# Altium PCB RcTransmitter.PcbDoc
Units mm, origin at the board's own origin, x right, y up, seen from the top; angles counter-clockwise.
Board outline 99.88 x 90.1 mm, 2 copper layers (Top Layer, Bottom Layer); 99 components, 58 nets, 309 pads, 92 vias.
Unrouted connection lines stored in the file: 11.
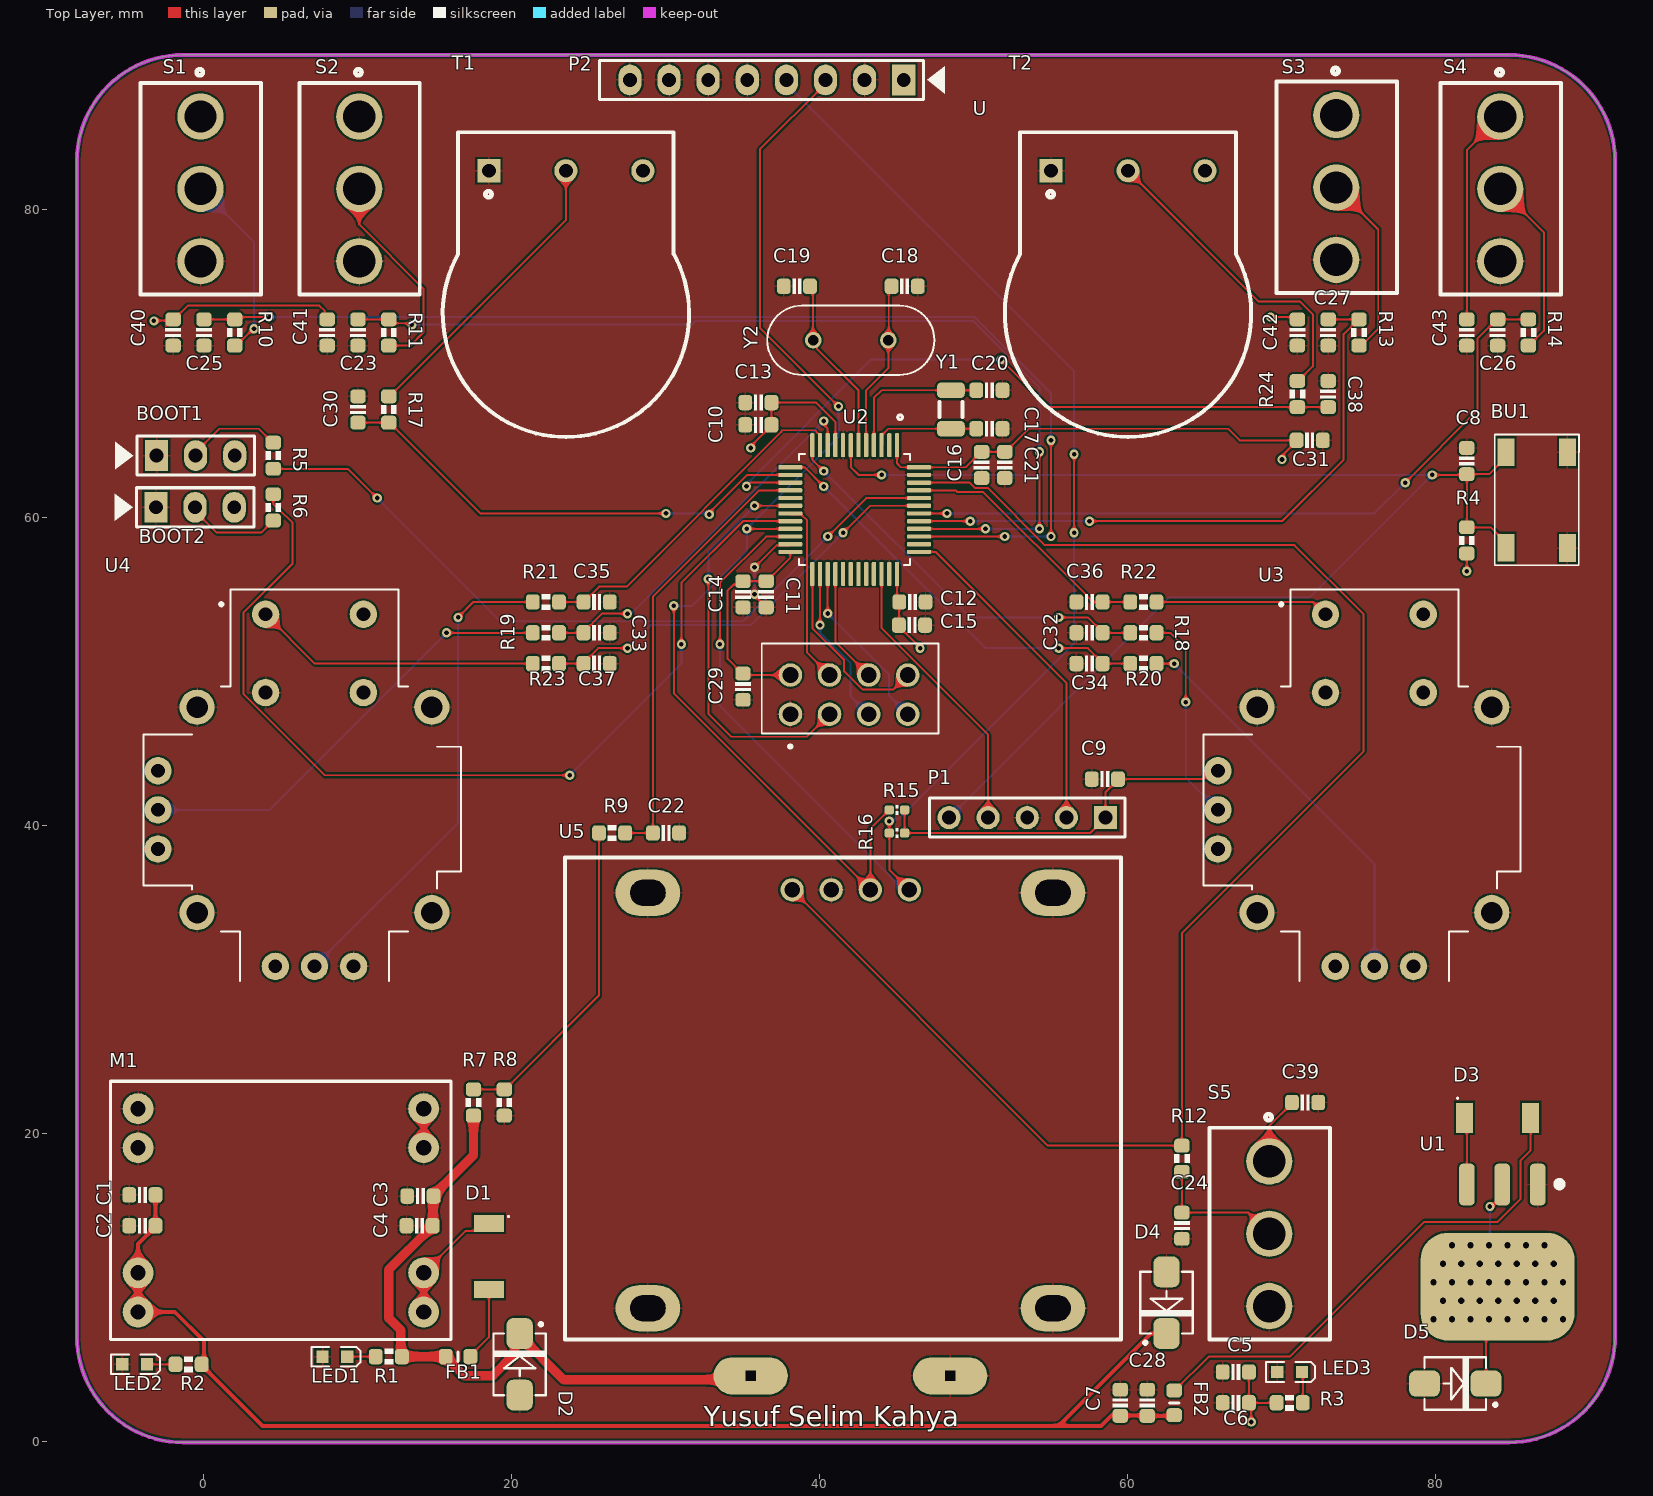
[diagram p0: Top Layer view]
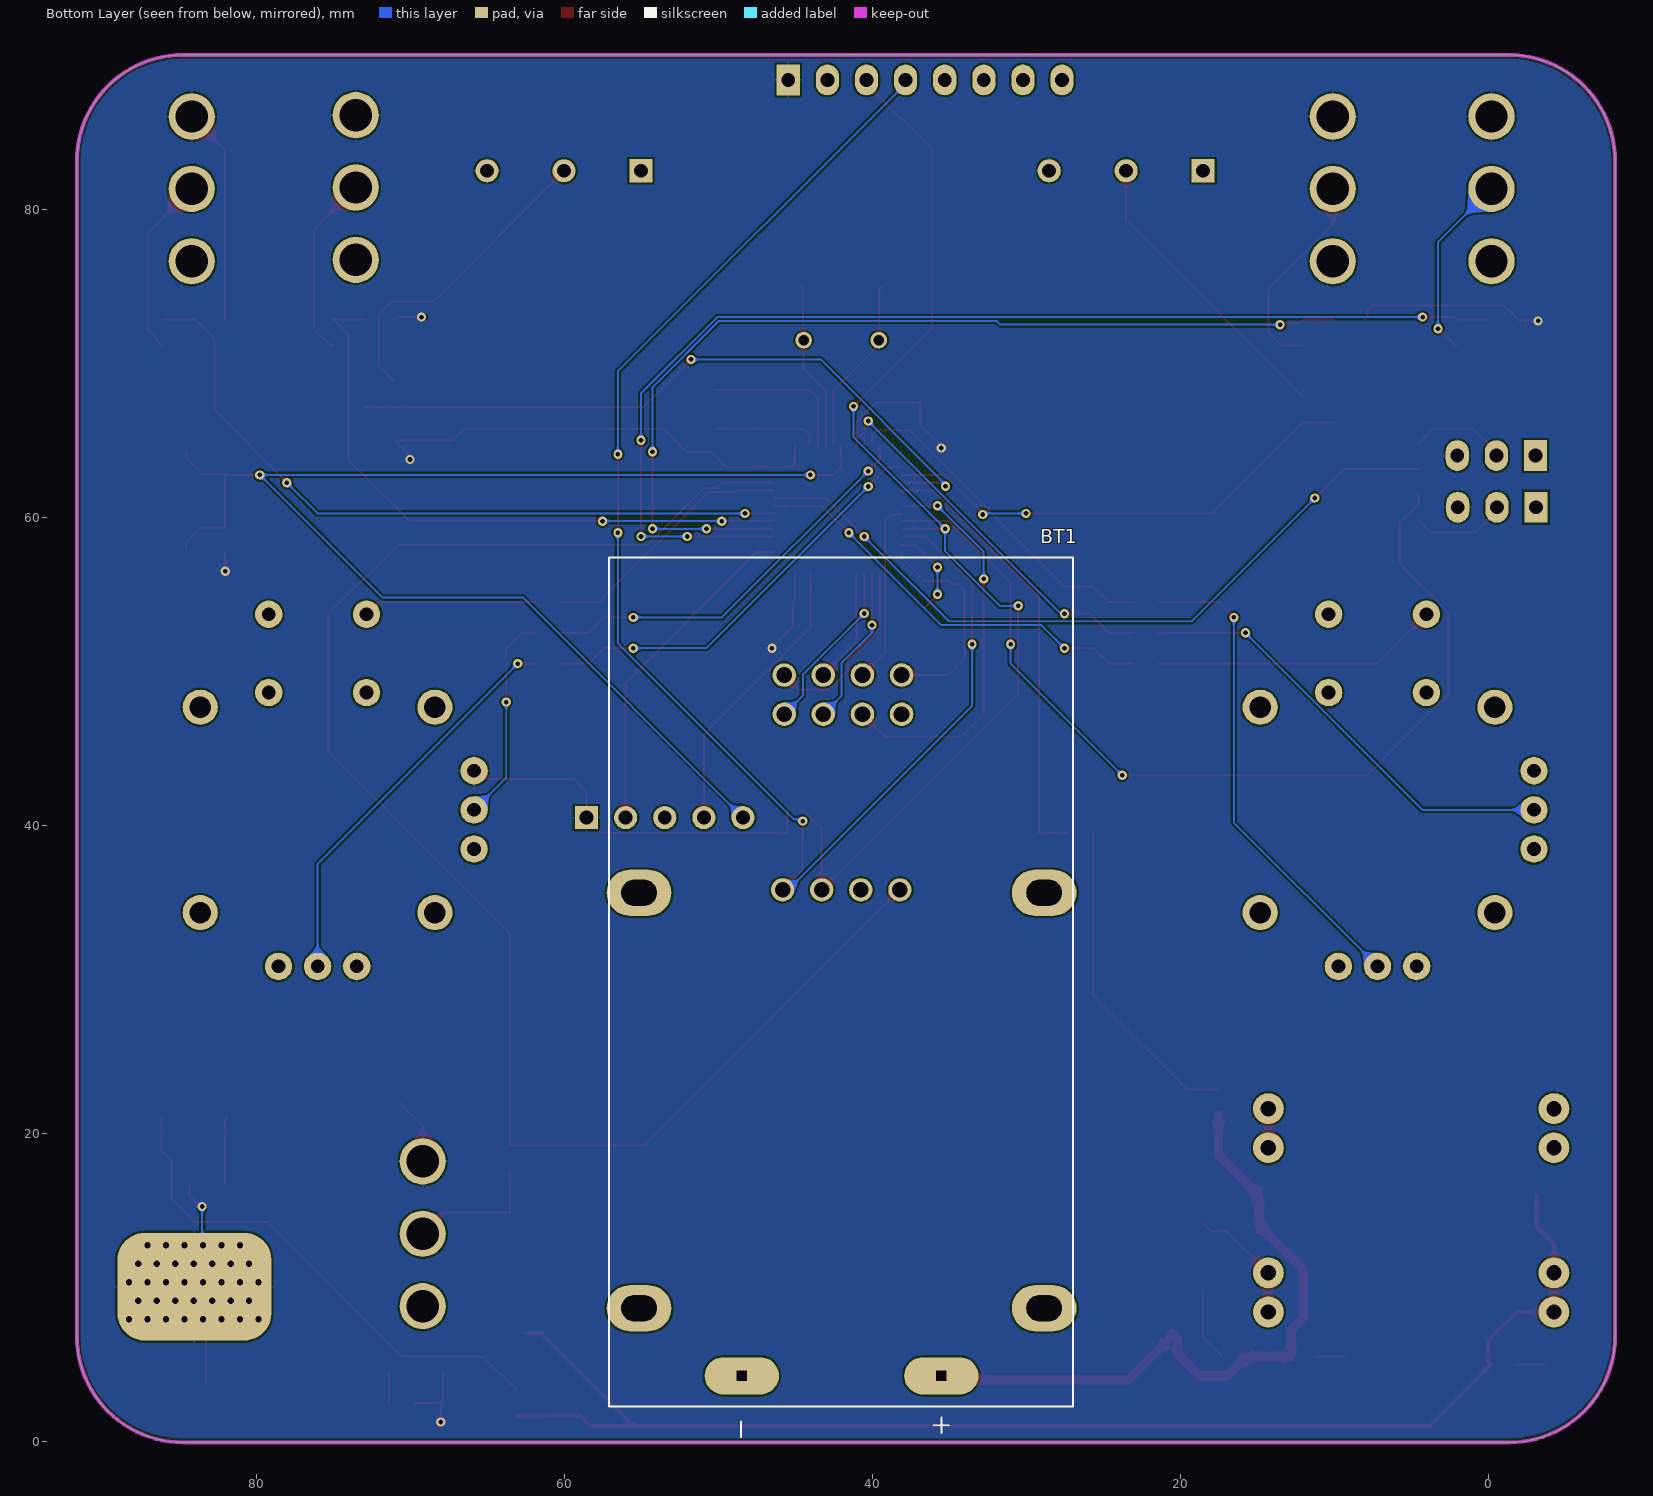
[diagram p1: Bottom Layer view, seen from below]
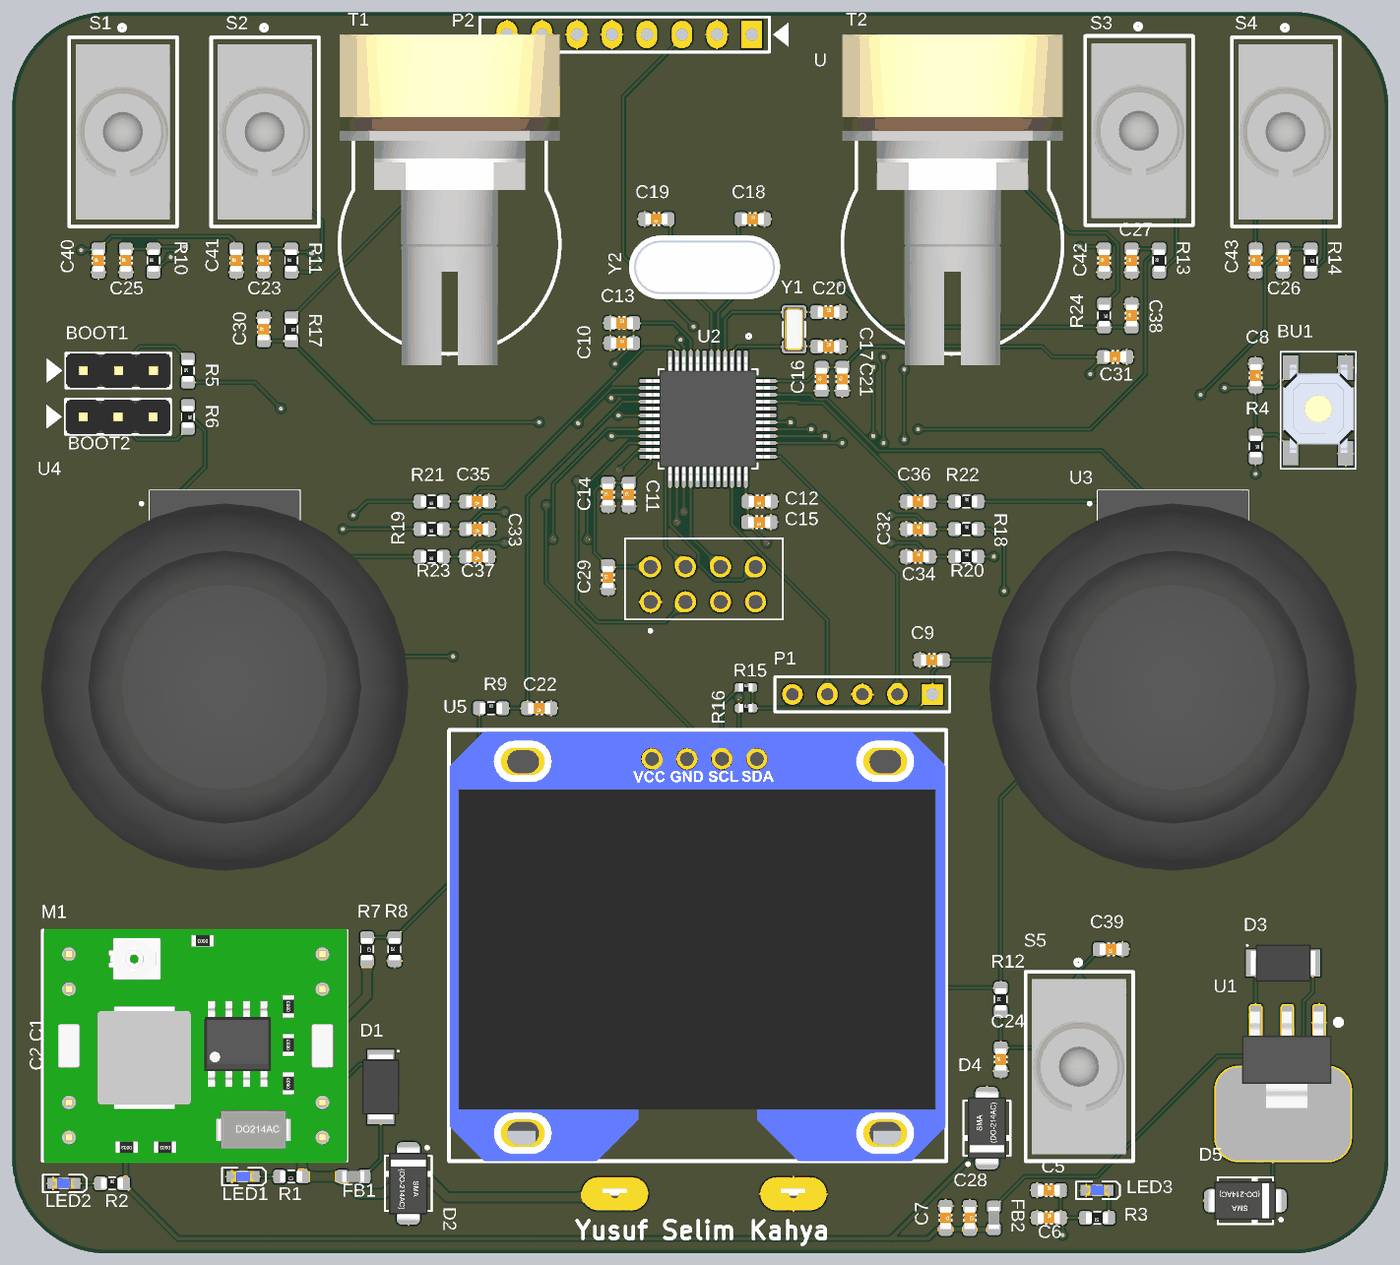
[diagram p2: 3D render of the assembled board from above, using the file's embedded part models]

## Layer stack, top to bottom
Top Solder: solder mask 0.0102, Solder Resist, Dk 3.5
Top Layer: signal copper 0.0356
Dielectric 1: dielectric 0.32, FR-4, Dk 4.8
Bottom Layer: signal copper 0.0356
Bottom Solder: solder mask 0.0102, Solder Resist, Dk 3.5

## Board outline
-8.252,6.812 ccw(c-1.365,6.812) -1.365,-0.075 -1.375,-0.075 84.743,-0.075 84.743,-0.072 ccw(c84.743,6.815) 91.63,6.815 91.63,83.138 ccw(c84.743,83.138) 84.743,90.025 -1.363,90.025 ccw(c-1.363,83.138) -8.25,83.138

## Design rules (kind name [scope] priority, off if disabled: settings)
BoardOutlineClearance [All] p1: gap=0.2 ignorepadtopadclearanceinfootprint=FALSE
Clearance [All] p1: gap=0.127 ignorepadtopadclearanceinfootprint=FALSE except(0.25: Arc-Hole Track-Hole SMDPad-Hole THPad-Hole Via-Hole Fill-Hole Poly-Hole Region-Hole Text-Hole)
ComponentClearance [All] p1: gap=0.127 collisioncheckmode=3 verticalgap=0.127 showdistances=TRUE
DiffPairsRouting [All] p1: maxlimit=0.254 minlimit=0.127 mostfreqgap=0.127 toplayer_minwidth=0.127 toplayer_maxwidth=25.4 toplayer_prefwidth=0.127 bottomlayer_minwidth=0.127 bottomlayer_maxwidth=25.4 bottomlayer_prefwidth=0.127 maxuncoupledlength=12.7
Height [All] p1: minheight=0 maxheight=1816.048 prefheight=12.7
HoleSize [All] p1: absolutevalues=TRUE maxlimit=6.3 minlimit=0.3 maxpercent=80.000 minpercent=20.000
HoleToHoleClearance [All] p1: gap=0.25 allowstackedmicrovias=FALSE
MinimumAnnularRing [All] p1: minimumring=0.076
MinimumSolderMaskSliver [All] p1: minsoldermaskwidth=0
PlaneClearance [All] p1: clearance=0.127
PlaneConnect PlaneConnectPowerPads [InPadClass('PowerPads')] p1: planeconnectstyle=Direct reliefexpansion=0.508 reliefentries=4 reliefconductorwidth=0.254 reliefairgap=0.254
PlaneConnect [All] p2: pad.planeconnectstyle=Relief pad.reliefexpansion=0.3 pad.reliefentries=4 pad.reliefconductorwidth=0.127 pad.reliefairgap=0.127 via.planeconnectstyle=Direct via.reliefexpansion=0.3 via.reliefentries=4 via.reliefconductorwidth=0.127 via.reliefairgap=0.127
PolygonConnect PolygonConnectPowerPads [All vs (InPadClass('PowerPads'))] p1: connectstyle=Direct reliefconductorwidth=0.254 reliefentries=4 polygonreliefangle="90 Angle" airgapwidth=0.254
PolygonConnect [All] p2: thpad.connectstyle=Relief thpad.reliefconductorwidth=0.127 thpad.reliefentries=4 thpad.polygonreliefangle="90 Angle" thpad.airgapwidth=0.127 smdpad.connectstyle=Relief smdpad.reliefconductorwidth=0.127 smdpad.reliefentries=4 smdpad.polygonreliefangle="90 Angle" smdpad.airgapwidth=0.127 via.connectstyle=Direct via.reliefconductorwidth=0.127 via.reliefentries=4 via.polygonreliefangle="90 Angle" via.airgapwidth=0.127
RoutingVias [All] p1: holewidth=0.3 width=0.6 viastyle="Through Hole" minholewidth=0.3 minwidth=0.6 maxholewidth=0.6 maxwidth=6.6
SilkToSilkClearance [All] p1: silktosilkclearance=0
SilkToSolderMaskClearance [IsPad] p1: minsilkscreentomaskgap=0.127 clearancetoexposedcopper=TRUE
SolderMaskExpansion [All] p1: expansion=0.075 istentingtop=FALSE
Width [All] p1: maxlimit=25.4 minlimit=0.127 preferedwidth=0.127 minimp=50.000000 maximp=50.000000 favimp=50.000000
20 further rules are at their usual default settings.

## Classes and differential pairs
component class RcTransmitterSwitches: C23 C24 C25 C26 C27 C30 C31 C32 C33 C34 C35 C36 C37 C38 C39 C40 C41 C42 C43 R10 R11 R12 R13 R14 R17 R18 R19 R20 R21 R22 R23 R24 S1 S2 S3 S4 S5 T1 T2 U3 U4
component class RcTransmitterPower: BT1 C1 C2 C3 C4 C5 C6 C7 C28 D1 D2 D3 D4 D5 FB1 FB2 LED1 LED2 LED3 M1 R1 R2 R3 U1
component class RcTransmitterMC: BOOT1 BOOT2 BU1 C8 C9 C10 C11 C12 C13 C14 C15 C16 C17 C18 C19 C20 C21 C22 C29 P1 P2 R4 R5 R6 R7 R8 R9 R15 R16 U U2 U5 Y1 Y2

## Components (designator, comment, footprint, x,y, rotation, side; value= is the part's Value field where it differs from the comment)
BOOT1 "1x3 PIN" HDR_2.54_1X3 -0.54,64.005 r0 top
BOOT2 "1x3 PIN" HDR_2.54_1X3 -0.575,60.651 r0 top
BT1 "Battery Holder" BAT_BC9VPC 41.977,30.031 r270 bottom
BU1 "Push Button" "button son" 79.185,73.475 r270 top
C1 "10uF" "CAPC 0603" -4,16 r0 top
C2 "100nF" "CAPC 0603" -4,14 r0 top
C3 "10uF" "CAPC 0603" 14.05,15.925 r0 top
C4 "100nF" "CAPC 0603" 14,14 r0 top
C5 "10uF" "CAPC 0603" 67,4.5 r0 top
C6 "100nF" "CAPC 0603" 67,2.5 r0 top
C7 "10uF" "CAPC 0603" 59.5,2.5 r270 top
C8 "100nF" "CAPC 0603" 82,63.65 r270 top
C9 "100nF" "CAPC 0603" 58.5,43 r0 top
C10 "100nF" "CAPC 0603" 36,66 r0 top
C11 "100nF" "CAPC 0603" 36.5,55 r90 top
C12 "100nF" "CAPC 0603" 46,54.5 r180 top
C13 "10uF" "CAPC 0603" 36,67.45 r0 top
C14 "10uF" "CAPC 0603" 35,55 r90 top
C15 "10uF" "CAPC 0603" 45.975,53 r180 top
C16 "10uF" "CAPC 0603" 50.5,63.4 r90 top
C17 "10pF" "CAPC 0603" 51,65.75 r0 top
C18 "10pF" "CAPC 0603" 45.5,75 r0 top
C19 "10pF" "CAPC 0603" 38.5,75 r180 top
C20 "10pF" "CAPC 0603" 51,68.25 r0 top
C21 "100nF" "CAPC 0603" 52,63.4 r90 top
C22 "100nF" "CAPC 0603" 30,39.5 r180 top
C23 "100nF" "CAPC 0603" 10,72 r90 top
C24 "100nF" "CAPC 0603" 63.5,14 r90 top
C25 "100nF" "CAPC 0603" 0,72 r90 top
C26 "100nF" "CAPC 0603" 84,72 r90 top
C27 "100nF" "CAPC 0603" 73,72 r90 top
C28 "100nF" "CAPC 0603" 61.25,2.5 r270 top
C29 "100nF" "CAPC 0603" 35,49 r90 top
C30 "100nF" "CAPC 0603" 10,67 r90 top
C31 "100nF" "CAPC 0603" 71.8,65 r180 top
C32 "100nF" "CAPC 0603" 57.5,52.5 r0 top
C33 "100nF" "CAPC 0603" 25.5,52.5 r180 top
C34 "100nF" "CAPC 0603" 57.5,50.5 r0 top
C35 "100nF" "CAPC 0603" 25.5,54.5 r180 top
C36 "100nF" "CAPC 0603" 57.5,54.5 r0 top
C37 "100nF" "CAPC 0603" 25.5,50.5 r180 top
C38 "100nF" "CAPC 0603" 73,68 r90 top
C39 "100nF" "CAPC 0603" 71.5,22 r180 top
C40 "100nF" "CAPC 0603" -2,72 r90 top
C41 "100nF" "CAPC 0603" 8,72 r90 top
C42 "100nF" "CAPC 0603" 71,72 r90 top
C43 "100nF" "CAPC 0603" 82,72 r90 top
D1 "PMEG3050BEP" SOD470X100-2N 18.5,12 r270 top
D2 "*" "DO-214AC, SMA" 20.5,5 r270 top
D3 "PMEG3050BEP" SOD470X100-2N 84,21 r0 top
D4 "*" "DO-214AC, SMA" 62.5,9 r90 top
D5 "*" "DO-214AC, SMA" 81.25,3.75 r180 top
FB1 "Ferrite Bead" FCM1608KF-601T03 16.5,5.5 r0 top
FB2 "Ferrite Bead" FCM1608KF-601T03 63,2.5 r90 top
LED1 "LED Blue 0603" "LED BLUE 0603" 8.5,5.5 r0 top
LED2 "LED Blue 0603" "LED BLUE 0603" -4.5,5 r0 top
LED3 "LED Blue 0603" "LED BLUE 0603" 70.5,4.5 r0 top
M1 "DC-DC Conv(0.8V-18V&3A)" mp 4.989,15 r180 top
P1 "Header 5" HDR1X5 58.54,40.5 r180 top
P2 "Header" IMU_HEADER 36.69,81.4 r0 top
R1 "470R" "RESC 0603" 12,5.5 r180 top
R2 "470R" "RESC 0603" -1,5 r0 top
R3 "470R" "RESC 0603" 70.5,2.5 r180 top
R4 "10K" "RESC 0603" 82,58.5 r270 top
R5 "10K" "RESC 0603" 4.5,64 r90 top
R6 "10K" "RESC 0603" 4.5,60.646 r270 top
R7 "4.7K" "RESC 0603" 17.5,22 r270 top
R8 "2.7K" "RESC 0603" 19.5,22 r90 top
R9 "1K" "RESC 0603" 26.5,39.5 r0 top
R10 "1K" "RESC 0603" 2,72 r90 top
R11 "1K" "RESC 0603" 12,72 r90 top
R12 "1K" "RESC 0603" 63.5,18.35 r90 top
R13 "1K" "RESC 0603" 75,72 r90 top
R14 "1K" "RESC 0603" 86,72 r270 top
R15 "4.7K" "RESC 0402" 45,41 r0 top
R16 "4.7K" "RESC 0402" 45,39.5 r0 top
R17 "1K" "RESC 0603" 12,67 r270 top
R18 "1K" "RESC 0603" 61,52.5 r0 top
R19 "1K" "RESC 0603" 22.2,52.5 r180 top
R20 "1K" "RESC 0603" 61,50.5 r0 top
R21 "1K" "RESC 0603" 22.2,54.5 r180 top
R22 "1K" "RESC 0603" 61,54.5 r0 top
R23 "1K" "RESC 0603" 22.2,50.5 r180 top
R24 "1K" "RESC 0603" 71,68 r270 top
S1 "3Pin/Toggle Switch" "3Pin/Toggle Switch" -0.351,81.325 r270 top
S2 "3Pin/Toggle Switch" "3Pin/Toggle Switch" 9.949,81.325 r270 top
S3 "3Pin/Toggle Switch" "3Pin/Toggle Switch" 73.396,81.415 r270 top
S4 "3Pin/Toggle Switch" "3Pin/Toggle Switch" 84.05,81.325 r270 top
S5 "3Pin/Toggle Switch" "3Pin/Toggle Switch" 69.051,13.476 r270 top
T1 "WH148" WH148 23.5,82.5 r0 top
T2 "WH148" WH148 60,82.5 r0 top
U "NRF24L01P-MODULE-PCB" nrf 43.75,62.5 r90 top
U1 "ZLDO1117G50TA" 1117 84.254,13.725 r270 top
U2 "STM32F103C8T6" QFP50P900X900X160-48N 42.25,60.5 r270 top
U3 "COM-09032" XDCR_COM-09032 76,41 r0 top
U4 "COM-09032" XDCR_COM-09032 7.175,41 r0 top
U5 "OLED Screen" "SSD1106 OLED" 41.75,21.418 r0 top
Y1 "32.768KHz/Crystal Osc" "32KhZ crystal oscillator" 48.5,67 r270 top
Y2 "8 MHz Crystal" XTAL_HC49P488W43L1085T450H368 42,71.5 r0 top

## Footprints (in the part's own frame and the unit in brackets; to place one, negate y for a bottom-side part, rotate by r counter-clockwise, add the part's x,y. Pads: shape width x height; smd on the part's side, far side on the other; paste and mask are expansions set on the pad)
"3Pin/Toggle Switch" [mm] "4-1825136-5"
  round 3 hole 2.1: 1(-4.699,0.127) 2(0,0.127) 3(4.699,0.127)
  silkscreen extent -7.77,-3.76 6.86,4.06, body extent -6.35,-3.3 6.35,3.56, height 29.3
"32KhZ crystal oscillator" [mm]
  rrect50% 1x1.8 smd: 1(-1.25,0) 2(1.25,0)
  silkscreen extent -0.5,-0.75 0.5,0.75, body extent -1.6,-0.75 1.6,0.75, height 0.8
1117 [mm]
  rrect50% 2.7x1 smd paste-0.102 mask+0.051: 1(-2.95,2.351) 2(-2.95,0.051) 3(-2.95,-2.249)
  rrect50% 7x10 smd paste-0.102 mask+0.051: 4(3.683,-0.254)
  rrect50% 7x10 smd far side paste-0.102 mask+0.051: 4(3.683,-0.254)
  silkscreen extent -3.17,3.56 -2.77,3.96, body extent -3.75,-3.25 3.25,3.25, height 1.63
BAT_BC9VPC [mil]
  oval 94.88x189.76 hole 26 square: N(1015,-255) P(1015,255)
  silkscreen extent -1077,-594 1171,592, body extent -1085,-593 1085,593, height 845
"button son" [mm]
  rect 1.8x1.1 smd mask+0.05: 1(9.25,9.35) 2(15.475,9.35) 3(9.25,5.35) 4(15.45,5.35)
  silkscreen extent 8.1,4.63 16.6,10.1, body extent 9.05,4.77 15.45,9.97, height 1.5
"CAPC 0603" [mm] "Chip Resistor, Body 1.6x0.8mm, IPC Medium Density"
  rrect50% 0.9x1 smd: 1(-0.85,0) 2(0.85,0)
  silkscreen extent -0.28,-0.5 0.28,0.5, body extent -0.8,-0.4 0.8,0.4, height 0.3
"DO-214AC, SMA" [mm]
  rrect50% 2x1.7 smd: 1(-2,0) 2(2,0)
  silkscreen extent -2.67,-1.7 2,1.7, body extent -2.73,-1.4 2.77,1.4, height 2.6
FCM1608KF-601T03 [mm]
  rrect50% 0.9x1 smd: 1(-0.8,0) 2(0.8,0)
  silkscreen extent 0,-0.3 0,0.3, body extent -0.8,-0.4 0.8,0.4, height 0.95
HDR1X5 [mm] "Connector; Header; 5 Position"
  rect 1.5x1.5 hole 0.9: 1(0,0)
  round 1.5 hole 0.9: 2(2.54,0) 3(5.08,0) 4(7.62,0) 5(10.16,0)
  silkscreen extent -1.27,-1.27 11.43,1.27
HDR_2.54_1X3 [mm] "2.54MM PICTH"
  rect 1.5x2 hole 0.9: 1(-2.54,0)
  oval 1.5x2 hole 0.9: 2(0,0) 3(2.54,0)
  silkscreen extent -5.21,-1.27 3.81,1.27, body extent -3.81,-1.24 3.81,1.25, height 8.54
IMU_HEADER [mm]
  rect 1.5x2 hole 0.9: 1(8.75,7)
  oval 1.5x2 hole 0.9: 2(6.21,7) 3(3.67,7) 4(1.13,7) 5(-1.41,7) 6(-3.95,7) 7(-6.49,7) 8(-9.03,7)
  silkscreen extent -11,5.73 11.42,8.27
"LED BLUE 0603" [mm]
  rect 0.8x0.8 smd: 1(-0.8,0) 2(0.8,0)
  silkscreen extent -1.52,-0.64 1.65,0.64, body extent -0.8,-0.4 0.8,0.4, height 0.59
mp [mm]
  round 2 hole 1: 1(-9.271,6.604) 2(-9.271,4.064) 3(9.271,6.604) 4(9.271,4.064) 5(-9.271,-4.064) 6(-9.271,-6.604) 7(9.271,-4.064) 8(9.271,-6.604)
  silkscreen extent -11.05,-8.38 11.05,8.38, body extent -11.08,-8.49 10.92,8.51, height 8
nrf [mil]
  round 60 hole 40: 1(-601.75,223.18) 2(-501.75,223.18) 3(-601.75,123.18) 4(-501.75,123.18) 5(-601.75,23.18) 6(-501.75,23.18) 7(-601.75,-76.82) 8(-501.75,-76.82)
  silkscreen extent -688,-155 -421,296, body extent -675,-231 1219,379, height 689
QFP50P900X900X160-48N [mm]
  rrect50% 1.56x0.28 smd: 1(-4.18,2.75) 2(-4.18,2.25) 3(-4.18,1.75) 4(-4.18,1.25) 5(-4.18,0.75) 6(-4.18,0.25) 7(-4.18,-0.25) 8(-4.18,-0.75) 9(-4.18,-1.25) 10(-4.18,-1.75) 11(-4.18,-2.25) 12(-4.18,-2.75) 25(4.18,-2.75) 26(4.18,-2.25) 27(4.18,-1.75) 28(4.18,-1.25) 29(4.18,-0.75) 30(4.18,-0.25) 31(4.18,0.25) 32(4.18,0.75) 33(4.18,1.25) 34(4.18,1.75) 35(4.18,2.25) 36(4.18,2.75)
  rrect50% 0.28x1.56 smd: 13(-2.75,-4.18) 14(-2.25,-4.18) 15(-1.75,-4.18) 16(-1.25,-4.18) 17(-0.75,-4.18) 18(-0.25,-4.18) 19(0.25,-4.18) 20(0.75,-4.18) 21(1.25,-4.18) 22(1.75,-4.18) 23(2.25,-4.18) 24(2.75,-4.18) 37(2.75,4.18) 38(2.25,4.18) 39(1.75,4.18) 40(1.25,4.18) 41(0.75,4.18) 42(0.25,4.18) 43(-0.25,4.18) 44(-0.75,4.18) 45(-1.25,4.18) 46(-1.75,4.18) 47(-2.25,4.18) 48(-2.75,4.18)
  silkscreen extent -6.15,-3.6 3.6,3.6, body extent -4.5,-4.5 4.5,4.5, height 1.58
"RESC 0402" [mm] "Chip Resistor, Body 1.1x0.5mm, IPC Medium Density"
  rrect50% 0.6x0.6 smd: 1(-0.5,0) 2(0.5,0)
  silkscreen extent -0.08,-0.3 0.08,0.3, body extent -0.5,-0.3 0.5,0.3, height 0.2
"RESC 0603" [mm] "Chip Resistor, Body 1.6x0.8mm, IPC Medium Density"
  rrect50% 0.9x1 smd: 1(-0.85,0) 2(0.85,0)
  silkscreen extent -0.28,-0.5 0.28,0.5, body extent -0.8,-0.4 0.8,0.4, height 0.3
SOD470X100-2N [mm]
  rect 1.1x1.95 smd: 1(-2.15,0) 2(2.15,0)
  silkscreen extent -2.65,1.23 -2.55,1.33, body extent -2.35,-1.35 2.35,1.35, height 1
"SSD1106 OLED" [mm]
  round 1.508 hole 1: 1(-3.564,14.395) 2(-1.024,14.395) 3(1.516,14.395) 4(4.056,14.395)
  oval 4.2x3 hole 1.7 slot 2.3 at 0 deg: S1(-12.925,14.2) S2(13.375,14.2) S3(13.375,-12.775) S4(-12.925,-12.775)
  silkscreen extent -18.3,-14.8 17.8,16.5, body extent -18.25,-14.8 17.75,16.4, height 3.25
WH148 [mm]
  rect 1.5x1.5 hole 0.9: 1(-4.999,0)
  round 1.5 hole 0.9: 2(0,0) 3(5,0)
  silkscreen extent -8,-17.28 8,2.5, body extent -8,-18.1 8,5.9, height 20.7
XDCR_COM-09032 [mil]
  round 70 hole 35.43: B1A(-125,500) B1B(125,500) B2A(-125,300) B2B(125,300)
  round 70 hole 35: H1(-100,-400) H2(0,-400) H3(100,-400) V1(-400,100) V2(-400,0) V3(-400,-100)
  round 90 hole 55: S1(-300,262.5) S2(-300,-262.5) S3(300,-262.5) S4(300,262.5)
  silkscreen extent -437,-437 374,563, body extent -525,-524 525,563, height 1190
XTAL_HC49P488W43L1085T450H368 [mm]
  round 1.08 hole 0.68: 1(-2.44,0) 2(2.44,0)
  silkscreen extent -5.43,-2.25 5.43,2.25, body extent -5.43,-2.25 5.43,2.25, height 3.68

## Part data
BOOT1 BOOT2: library part Connector0009, "Header 2.54 1x3", Package / Case=HDR_2.54_1X3, Category=Connectors, Part Number=Connector0009, Values="Header 2.54 1x3"
BT1: "BATTERY HOLDER 9V PC PIN", Package=None, Availability=Warning, Check_prices=https://www.snapeda.com/parts/BC9VPC/MPD/view-part/4389071/?ref=eda, MF=MPD, MP=BC9VPC, Price=None, Purchase-URL=https://pricing.snapeda.com/search/part/BC9VPC/?ref=eda, SnapEDA_Link=https://www.snapeda.com/parts/BC9VPC/MPD/view-part/4389071/?ref=snap
BU1: "Smd Push Button", Satın Alma Linki=https://urun.n11.com/diger/mini-pushbutton-switch-smd-P227461537?gclid=Cj0KCQjwkoDmBRCcARIsAG3xzl8Y_-jeD7HocNM6lvuZ_rVp83568XPGtNzlPwXWLph8oCRqo0yh87UaApZYEALw_wcB&gclsrc=aw.ds
C1 C3 C5 C7 C13 C14 C15 C16: library part CAPC0301, "Capacitor Ceramic 10uF 50V 0603", Package / Case=0603, Tolerance=%10, Value Rating=uF, Values="10uF 50V", Voltage=50V, Category="Capacitor Ceramic", Part Number=CAPC0301
C2 C10 C11 C12 C21 C22 C23 C24 C25 C26 C27 C29 C32 C33 C34 C35 C36 C37: library part CAPC0328, "Capacitor Ceramic 100nF 35V 0603", Package / Case=0603, Tolerance=%10, Value Rating=nF, Values="100nF 35V", Voltage=35V, Category="Capacitor Ceramic", Part Number=CAPC0328
C4 C6 C8 C9 C28 C30 C31 C38 C39 C40 C41 C42 C43: library part CAPC0285, "Capacitor Ceramic 100nF 50V 0603", Package / Case=0603, Tolerance=%10, Value Rating=nF, Values="100nF 50V", Voltage=50V, Category="Capacitor Ceramic", Favorites=Favorite, Part Number=CAPC0285
C17 C18 C19 C20: library part CAPC0242, "Capacitor Ceramic 10pF 50V 0603", Package / Case=0603, Tolerance=%10, Value Rating=pF, Values="10pF 50V", Voltage=50V, Category="Capacitor Ceramic", Part Number=CAPC0242
D1 D3: library part "Schotky Diode", "Schotky Diode", Manufacturer="Nexperia USA", Manufacturer Part Number=PMEG3050BEP,115, Supplier Part Number 1=1727-5207-1-ND, Pricing 1="1=0.44, 10=0.373, 100=0.2786, 500=0.2189, 1000=0.1692 (USD)", Stock 1=62590, Supplier 1=Digi-Key
D2 D4 D5: library part Diode0012, Current=FILL!!!, Package / Case="DO-214AC, SMA", Category="Diode Schottky", Diode Type=Schottky, Part Number=Diode0012, Speed=FILL!!!, Values=FILL!!!, Voltage - DC Reverse (Vr)=FILL!!!, Voltage - Forward (Vf)=FILL!!!
FB1 FB2: library part FCM1608KF-601T03
M1: library part MP1584EN
P1: "Header, 5-Pin", LatestRevisionDate=17-Jul-2002, LatestRevisionNote="Re-released for DXP Platform.", Publisher="Altium Limited"
P2: library part IMU_HEADER, "1x8"
R1 R2 R3: library part R0188, "470R 0603", Package / Case=0603, Power=1/10W, Tolerance=%5, Category=Resistor, Part Number=R0188, Values=470R
R4 R5 R6: library part R0220, "10K 0603", Package / Case=0603, Power=1/10W, Tolerance=%5, Category=Resistor, Part Number=R0220, Values=10K
R7: library part R0212, "4.7K 0603", Package / Case=0603, Power=1/10W, Tolerance=%5, Category=Resistor, Part Number=R0212, Values=4.7K
R8: library part R0206, "2.7K 0603", Package / Case=0603, Power=1/10W, Tolerance=%5, Category=Resistor, Part Number=R0206, Values=2.7K
R9 R10 R11 R12 R13 R14 R17 R18 R19 R20 R21 R22 R23 R24: library part R0196, "1K 0603", Package / Case=0603, Power=1/10W, Tolerance=%5, Category=Resistor, Part Number=R0196, Values=1K
R15 R16: library part R0066, "4.7K 0402", Package / Case=0402, Power=1/10W, Tolerance=%5, Category=Resistor, Part Number=R0066, Values=4.7K
S1 S2 S3 S4 S5: library part 4-1825136-5, "Switch Toggle ON None ON SPDT Long Baton Lever PC Pins 5A 250VAC 28VDC PC Mount with Threads Bulk", Package="SOIC-8 TE Connectivity", Supplier Part Number 1=450-1784-ND, Availability=Unavailable, EU_RoHS_Compliance="Compliant with Exemptions", MF="TE Connectivity", MP=4-1825136-5, Name="3Pin/Toggle Switch", Price=None, SnapEDA_Link=https://www.snapeda.com/parts/4-1825136-5/TE%20Connectivity%20ALCOSWITCH%20Switches/view-part/?ref=snap, Supplier 1=Digi-Key, TE_purchase_URL=https://www.te.com/usa-en/product-4-1825136-5.html?te_bu=Cor&te_type=disp&te_campaign=seda_glo_cor-seda-global-disp-prtnr-fy19-seda-model-bom-cta_sma-317_1&elqCampaignId=32493
U: "- Transceiver For Use With nRF24L01+", Package=None, Availability=Bad, MF="Nordic Semiconductor", Mouser-Purchase-URL=https://snapeda.com/shop?store=Mouser&id=230534, MP=NRF24L01P-MODULE-PCB, Price=None, SnapEDA_Link=https://www.snapeda.com/parts/NRF24L01P-MODULE-PCB/Nordic%20Semiconductor%20ASA/view-part/230534/?ref=snap
U1: "IC REG LDO 5V 1A SOT223"
U2: "ARMÂ® CortexÂ®-M3 STM32F1 Microcontroller IC 32-Bit 72MHz 64KB _64K x 8_ FLASH", Package="LQFP-48 STMicroelectronics", Availability=Unavailable, MF=STMicroelectronics, MP=STM32F103C8T6, Price=None, SnapEDA_Link=https://www.snapeda.com/parts/STM32F103C8T6/STMicroelectronics/view-part/52195/?ref=snap
U3 U4: "Joystick, 2 - Axis Analog _Resistive_ Output", Package="SparkFun Electronics", Availability=Unavailable, MF="SparkFun Electronics", MP=COM-09032, Price=None, SnapEDA_Link=https://www.snapeda.com/parts/COM-09032/SparkFun%20Electronics/view-part/888157/?ref=snap
U5: library part "SSD1106 OLED"
Y1: library part NX3215SA-32.768KHZ-EXS00A-MU00525, "Crystal or Oscillator", ComponentLink1Description="New link"
Y2: library part XTAL_HC49P488W43L1085T450H368

## Via types
v1: diameter 0.6, hole 0.3, Top Layer to Bottom Layer, tented both sides, 56 vias
v2: diameter 0.8, hole 0.4, Top Layer to Bottom Layer, 36 vias

## Nets (pads, with @x,y where several pads share a name; then routed paths per layer and width w, separated by ;. In a path a pad name is that pad's centre, name@x,y a point inside that pad or via, vN(x,y) a via of type N, cw(c..) or ccw(c..) an arc to the next point about the centre after c; other vN are vias at no path point)
"8 MHz IN": C18.1 U2.5 Y2.2 | length 11
  Top Layer w0.127: U2.5 43,68.25 44.44,69.69 Y2.2 44.464,71.524 44.464,74.814 C18.1
"8 MHz OUT": C19.1 U2.6 Y2.1 | length 11.6
  Top Layer w0.127: C19.1 39.536,74.814 39.536,71.524 Y2.1 39.56,71.242 39.795,71.008 39.795,70.955 42.5,68.25 U2.6
"32 kHz IN": C17.1 U2.3 Y1.2 | length 7
  Top Layer w0.127: U2.3 44.072,64.752 44.072,65.401 44.422,65.75 Y1.2 C17.1
"32 kHz OUT": C20.1 U2.4 Y1.1 | length 9.9
  Top Layer w0.127: U2.4 43.5,67.75 44,68.25 Y1.1 C20.1
+3.3V: BOOT1.3 BOOT2.3 C5.2 C6.2 C9.2 C10.2 C11.2 C12.2 C13.2 C14.2 C15.2 C16.2 C21.2 C29.2 C31.2 C39.2 C40.2 C41.2 C42.2 C43.2 D5.1 P1.1 P2.1 R3.2 R4.2 R15.2 R16.2 S1.1 S2.1 S3.1 S4.1 S5.1 T1.3 T2.3 U1.2 U1.4 U2.1 U2.9 U2.24 U2.36 U2.48 U3.H1 U3.V1 U4.H1 U4.V1 U.2 | length 132.6
  Top Layer w0.127: v1(-3.25,72.75) -3.223,72.777 -2.023,72.777 -1.05,73.75 7.5,73.75 7.834,73.416 7.834,73.016 C41.2 ; v1(35.5,64.5) 35.5,64.6 36.85,65.95 C10.2 C13.2 39.743,67.45 41,66.194 U2.9 ; U2.24 38.07,57.37 36.55,55.85 C11.2 C14.2 34.784,55.634 34.384,55.634 34,55.25 34,50.8 34.95,49.85 C29.2 35.095,49.755 U.2 ; U2.36 45,54.65 C12.2 45.138,54.488 45.138,52.9 46.5,51.538 v1(46.5,51.5) ; U2.1 45,63.5 45.25,63.25 U2.48 49.45,63.25 50.45,64.25 C16.2 C21.2 52.05,64.25 53.55,65.75 66.5,65.75 67.25,65 C31.2 70.95,64.95 70,64 v1(70,63.75) ; R15.2 R16.2 57.54,39.5 P1.1 58.54,42.14 59.35,42.95 C9.2 64.853,43 65.393,43.54 U3.V1 U3.V1@65.906,43.474 ; C5.2 C6.2 ; v1(68,1.25) 68,2.35 C6.2 ; S5.1 69.178,20.478 70.65,21.95 C39.2 ; v1(69.25,73) 70.85,73 C42.2 ; R3.2@69.65,2.45 R3.2 C6.2 ; U1.4@79.844,7.844 v2(79.844,7.927) ; v1(82,56.5) R4.2 ; C43.2 82,83.847 S4.1 ; D5.1 83.25,7.733 v2(83.444,7.927) ; v1(83.5,15.25) 83.591,15.341 83.72,15.341 84.305,15.926 U1.2
  Bottom Layer w0.127: BOOT2.3 BOOT2.3@1.982,60.668 ; BOOT1.3@1.982,63.987 BOOT1.3 BOOT1.3@2,64.255 ; v1@69,73 v1(69.25,73) ; S3.1 S3.1@73.568,86.069 ; v2(83.444,12.727) 83.5,12.783 v1(83.5,15.25) ; S4.1@84.131,86.069 S4.1
  other v2: 81.044,7.927 82.244,7.927 84.644,7.927 85.844,7.927 87.044,7.927 88.244,7.927 80.444,9.127 81.644,9.127 82.844,9.127 84.044,9.127 85.244,9.127 86.444,9.127 87.644,9.127 79.844,10.327 81.044,10.327 82.244,10.327 83.444,10.327 84.644,10.327 85.844,10.327 87.044,10.327 88.244,10.327 80.444,11.527 81.644,11.527 82.844,11.527 84.044,11.527 85.244,11.527 86.444,11.527 87.644,11.527 81.044,12.727 82.244,12.727 84.644,12.727 85.844,12.727 87.044,12.727
+5V: C1.2 C2.2 C7.2 C28.2 D4.1 FB2.1 M1.3 M1.4 R2.2 | length 89.3
  Top Layer w0.254: C1.2 C2.2 -3.15,13.95 -4.282,12.818 M1.4 M1.3 -1.896,8.396 0,6.5 0,5.15 R2.2 -0.15,4.95 3.8,1 55.5,1 ; D4.1 61.5,7 55.5,1 ; FB2.1@63,1.65 61,1.65 60.975,1.675 59.025,1.675 59,1.7 58.95,1.7 58.25,1 55.5,1
+9V: BT1.P C3.2 C4.2 D2.1 FB1.1 R1.1 R7.2 | length 44.6
  Top Layer w0.608: R7.2 17.5,18.575 14.875,15.95 14.875,14.025 C4.2 14.85,13.95 14.704,13.804 14.654,13.804 12,11.15 12,8 12.779,7.221 12.779,5.571 R1.1 FB1.1 15.846,5.354 15.846,5.304 16.898,4.252 18.752,4.252 20.163,5.663 20.163,6.663 D2.1 20.5,6.85 23.35,4 BT1.P@35.5,4
ADC1: C33.2 R19.1 U2.10 | length 24.6
  Top Layer w0.127: R19.1 C33.2 24.65,52.55 25.84,53.74 v1(27.5,53.74) ; v1(40.25,66.25) 40.25,66 40.5,65.75 U2.10
  Bottom Layer w0.127: v1(27.5,53.74) 27.591,53.831 27.831,53.831 v1(40.25,66.25)
ADC2: C35.2 R21.1 U2.11 | length 22.4
  Top Layer w0.127: R21.1@23.052,54.498 C35.2@24.648,54.498 ; C35.2@24.652,54.498 25.654,55.5 27.438,55.5 37.491,65.553 37.491,65.576 37.565,65.65 39.678,65.65 39.83,65.498 39.83,65.471 39.909,65.392 39.924,65.392 40,65.316 U2.11
ADC3: C32.2 R18.1 U2.12 | length 26.3
  Top Layer w0.127: U2.12 39.5,63.75 v1(40.25,63) ; v1(55.5,53.5) 57.4,53.5 58.35,52.55 C32.2 R18.1
  Bottom Layer w0.127: v1(40.25,63) 49.75,53.5 v1(55.5,53.5)
ADC4: C34.2 R20.1 U2.13 | length 27.4
  Top Layer w0.127: U2.13 39,63.25 v1(40.25,62) ; v1(55.5,51.5) 57.4,51.5 58.35,50.55 C34.2 R20.1
  Bottom Layer w0.127: v1(40.25,62) 50.75,51.5 v1(55.5,51.5)
ADC5: C30.1 R17.2 U2.14 | length 31.7
  Top Layer w0.127: C30.1 R17.2 12.05,66.15 17.95,60.25 v1(30,60.25) ; v1(32.816,60.184) 32.816,60.297 35.269,62.75 U2.14
  Bottom Layer w0.127: v1(30,60.25) 32.75,60.25 v1(32.816,60.184)
ADC6: C38.1 R24.2 U2.15 | length 45.5
  Top Layer w0.127: v1(35.231,62.019) 35.235,62.019 35.467,62.25 U2.15 ; v1(51.75,70.25) 54.85,67.15 R24.2 C38.1
  Bottom Layer w0.127: v1(35.231,62.019) 35.231,62.143 43.339,70.25 v1(51.75,70.25)
ADC7: C22.2 R9.2 U2.16 | length 28.9
  Top Layer w0.127: R9.2 C22.2 29.15,54.844 36.056,61.75 U2.16
BOOT0: R5.1 U2.44 | length 49.2
  Top Layer w0.127: R5.1 9.35,63.15 v1(11.25,61.25) ; v1(40.5,58.75) 43,61.25 U2.44@46.333,61.25
  Bottom Layer w0.127: v1(11.25,61.25) 19.25,53.25 35,53.25 v1(40.5,58.75)
"CE NRF": U2.18 U.3 | length 26.2
  Top Layer w0.127: v1(32.75,56) 32.75,47.25 34.25,45.75 39.155,45.75 U.3 ; v1(35.75,60.75) U2.18
  Bottom Layer w0.127: v1(32.75,56) 32.75,57.75 v1(35.75,60.75)
"CSN NRF": U2.19 U.4 | length 11.9
  Top Layer w0.127: U2.19 38.142,60.178 38.791,60.178 39.17,59.799 39.17,51.207 U.4
GND: BOOT1.1 BOOT2.1 BT1.N BU1.1 BU1.2 C1.1 C2.1 C3.1 C4.1 C5.1 C6.1 C7.1 C8.1 C9.1 C10.1 C11.1 C12.1 C13.1 C14.1 C15.1 C16.1 C17.2 C18.2 C19.2 C20.2 C21.1 C22.1 C23.1 C24.1 C25.1 C26.1 C27.1 C28.1 C29.1 C30.2 C31.1 C32.1 C33.1 C34.1 C35.1 C36.1 C37.1 C38.2 C39.1 C40.1 C41.1 C42.1 C43.1 D2.2 D4.2 D5.2 LED1.1 LED2.1 LED3.1 M1.5 M1.6 M1.7 M1.8 P1.3 P2.2 P2.5 P2.6 P2.7 P2.8 R8.1 S1.3 S2.3 S3.3 S4.3 S5.3 T1.1 T2.1 U1.1 U2.8 U2.23 U2.35 U2.47 U3.B2A U3.H3 U3.S1 U3.S2 U3.S3 U3.S4 U3.V3 U4.B2A U4.H3 U4.S1 U4.S2 U4.S3 U4.S4 U4.V3 U5.2 U5.S1 U5.S2 U5.S3 U5.S4 U.1 | length 8.4
  Top Layer w0.127: M1.5 M1.6 ; v1(35.75,55) 35.75,54.925 36.5,54.175 C11.1 ; v1(35.75,56.75) 37.178,58.178 37.998,58.178 U2.23
  Bottom Layer w0.127: v1(35.75,55) v1(35.75,56.75)
"GPIO 0": C25.2 R10.2 U2.39 | length 75
  Top Layer w0.127: C25.2 R10.2 2.15,73 v1(4.25,73) ; U2.39 v1(52,58.75) ; v1(55,58.75) v1(55,65)
  Bottom Layer w0.127: v1(4.25,73) 50.053,73 55,68.053 v1(55,65) ; v1(52,58.75) v1(55,58.75)
"GPIO 1": C23.2 R11.2 U2.40 | length 63.3
  Top Layer w0.127: C23.2 R11.2 12.251,72.599 13.411,72.599 v1(13.5,72.509) ; U2.40 v1(50.75,59.25) ; v1(54.25,59.25) v1(54.25,64.25)
  Bottom Layer w0.127: v1(13.5,72.509) 31.67,72.509 31.906,72.746 49.948,72.746 54.25,68.444 v1(54.25,64.25) ; v1(50.75,59.25) v1(54.25,59.25)
"GPIO 2": C27.2 R13.2 U2.41 | length 40.7
  Top Layer w0.127: U2.41 v1(49.75,59.75) ; v1(57.5,59.75) 70,59.75 74,63.75 74,71.9 R13.2@74.95,72.85 ; C27.2 R13.2@74.95,72.85 ; R13.2 R13.2@74.95,72.85
  Bottom Layer w0.127: v1(49.75,59.75) v1(57.5,59.75)
"GPIO 3": C26.2 R14.1 U2.42 | length 47.5
  Top Layer w0.127: U2.42 v1(48.25,60.25) ; v1(78,62.25) 82.691,66.941 82.691,71.59 83.95,72.85 C26.2 R14.1
  Bottom Layer w0.127: v1(48.25,60.25) 76,60.25 v1(78,62.25)
"GPIO 4": C37.2 R23.1 U2.43 | length 27.7
  Top Layer w0.127: R23.1 C37.2 24.65,50.55 25.6,51.5 v1(27.5,51.5) ; v1(41.5,59) 43.25,60.75 U2.43
  Bottom Layer w0.127: v1(27.5,51.5) 28.996,52.996 35.496,52.996 v1(41.5,59)
"GPIO 5": C36.2 R22.1 U2.45 | length 16.7
  Top Layer w0.127: U2.45 48.817,61.75 48.911,61.655 50.582,61.655 57.378,54.859 57.378,54.831 57.709,54.5 C36.2 R22.1
"GPIO 6": R12.2 U2.46 U5.1 | length 104
  Top Layer w0.127: U5.1 54.799,19.2 R12.2 63.5,33 75.3,44.8 75.3,53.7 70.801,58.199 54.608,58.199 50.897,61.909 50.053,61.909 49.712,62.25 U2.46
"I2C SCL": P2.3 R15.1 U2.21 U5.3 | length 75.4
  Top Layer w0.127: v1(30.509,54.25) 30.509,48.57 U5.3 43.266,39.766 R15.1 ; v1(35.25,59.25) U2.21 ; P2.3 40.36,88.15 36.1,83.89 36.1,72.3 v1(41.2,67.2)
  Bottom Layer w0.127: v1(30.509,54.25) 31.694,54.25 35.25,57.806 v1(35.25,59.25) 41.2,65.2 v1(41.2,67.2)
"I2C SDA": P2.4 R16.1 U2.22 U5.4 | length 97.1
  Top Layer w0.127: v1(33.5,51.75) 33.5,55.75 36.5,58.75 U2.22@38,58.75 ; v1(44.5,40.273) R16.1 44.5,37.119 U5.4 ; v1(56.5,59) v1(56.5,64.1)
  Bottom Layer w0.127: v1(33.5,51.75) 33.5,47.75 45.437,35.813 U5.4 ; P2.4 37.82,88.15 56.5,69.47 v1(56.5,64.1) ; v1(44.5,40.273) 44.5,40.326 44.574,40.4 45.094,40.4 56.5,51.806 v1(56.5,59)
"IRQ NRF": U2.25 U.8 | length 12.2
  Top Layer w0.127: U2.25 39.5,52.806 41.574,50.733 41.574,49.996 42.767,48.803 44.749,48.803 U.8
MISO-NRF: U2.27 U.7 | length 11.3
  Top Layer w0.127: v1(40.5,53.75) U2.27
  Bottom Layer w0.127: v1(40.5,53.75) 40.514,53.75 44.495,49.769 44.495,48.422 U.7
MOSI-NRF: U2.28 U.6 | length 7.5
  Top Layer w0.127: U2.28 41,51.917 U.6
NetBOOT1_2: BOOT1.2 R5.2 | length 6.3
  Top Layer w0.127: BOOT1.2 -0.54,64.21 1,65.75 3.55,65.75 4.45,64.85 R5.2
NetBOOT2_2: BOOT2.2 R6.2 | length 6.2
  Top Layer w0.127: BOOT2.2 -0.575,60.401 0.825,59 3.704,59 R6.2
NetC24_2: C24.2 R12.1 S5.2 | length 8.9
  Top Layer w0.127: R12.1 C24.2 67.804,14.85 S5.2
NetD1_1: D1.1 M1.1 M1.2 | length 8.1
  Top Layer w0.127: M1.1 M1.2 16.987,13.663 18.013,13.663 D1.1
NetD1_2: D1.2 FB1.2 | length 4.8
  Top Layer w0.127: FB1.2 17.3,5.55 18.5,6.75 D1.2
NetD3_1: D3.1 U1.3 | length 4.4
  Top Layer w0.127: D3.1 82.005,20.845 U1.3
NetD3_2: D3.2 FB2.2 | length 33.2
  Top Layer w0.127: FB2.2 63.05,3.3 65.25,5.5 70.5,5.5 79.25,14.25 84,14.25 85.5,15.75 85.5,18.25 86.15,18.9 D3.2
NetLED1_2: LED1.2 R1.2 | length 1.8
  Top Layer w0.127: LED1.2 R1.2
NetLED2_2: LED2.2 R2.1 | length 1.9
  Top Layer w0.127: LED2.2 R2.1
NetLED3_2: LED3.2 R3.1 | length 2
  Top Layer w0.127: LED3.2 71.35,4.45 R3.1
NetR6_1: R6.1 U2.20 | length 62.4
  Top Layer w0.127: R6.1 4.5,60.855 4.831,60.524 4.859,60.524 5.75,59.633 5.75,57 2.553,53.803 2.553,48.541 7.843,43.25 v1(23.75,43.25) ; v1(31,51.75) 31,55.75 35,59.75 U2.20
  Bottom Layer w0.127: v1(23.75,43.25) 31,50.5 v1(31,51.75)
NetR7_1: R7.1 R8.2 R9.1 | length 21.2
  Top Layer w0.127: R7.1 R8.2 19.55,22.85 25.65,28.95 R9.1
NetR10_1: R10.1 S1.2 | length 12.2
  Top Layer w0.127: R10.1 2.1,71.15 3.2,72.25 v1(3.25,72.25)
  Bottom Layer w0.127: S1.2 3.25,77.851 v1(3.25,72.25)
NetR11_1: R11.1 S2.2 | length 13.7
  Top Layer w0.127: S2.2 10.076,79.016 14.25,74.843 14.25,72 13.4,71.15 R11.1
NetR13_1: R13.1 S3.2 | length 12
  Top Layer w0.127: S3.2 76.25,78.688 76.25,72.25 75.492,71.492 75.479,71.492 75.137,71.15 R13.1
NetR14_2: R14.2 S4.2 | length 11.8
  Top Layer w0.127: S4.2 87,78.501 87,72.1 86.05,71.15 R14.2
NetR17_1: R17.1 T1.2 | length 19.4
  Top Layer w0.127: R17.1 12.05,67.85 23.5,79.3 T1.2
NetR18_2: R18.2 U3.V2 | length 13.7
  Top Layer w0.127: R18.2 62.75,52.5 63.75,51.5 v1(63.75,48)
  Bottom Layer w0.127: v1(63.75,48) 63.75,43.09 U3.V2
NetR19_2: R19.2 U4.V2 | length 29.1
  Top Layer w0.127: v1(15.75,52.5) R19.2
  Bottom Layer w0.127: U4.V2 4.257,41 15.75,52.493 v1(15.75,52.5)
NetR20_2: R20.2 U3.H2 | length 26.2
  Top Layer w0.127: R20.2 v1(63,50.5)
  Bottom Layer w0.127: v1(63,50.5) 76,37.5 U3.H2
NetR21_2: R21.2 U4.H2 | length 31.8
  Top Layer w0.127: v1(16.5,53.5) 17.5,54.5 R21.2
  Bottom Layer w0.127: U4.H2 16.5,40.165 v1(16.5,53.5)
NetR22_2: R22.2 U3.B1A | length 11.3
  Top Layer w0.127: R22.2 72.025,54.5 U3.B1A
NetR23_2: R23.2 U4.B1A | length 18.7
  Top Layer w0.127: U4.B1A 7.2,50.5 R23.2
NetR24_1: R24.1 T2.2 | length 20.6
  Top Layer w0.127: T2.2 68.5,74 71.176,74 72,73.176 72,69.8 71.05,68.85 R24.1
NRST: BU1.3 BU1.4 C8.2 P1.5 R4.1 U2.7 | length 92.3
  Top Layer w0.127: U2.7 42,63.25 42.5,62.75 v1(44,62.75) ; v1(79.75,62.75) 81.95,62.75 C8.2 ; BU1.4 84.535,58.375 83.56,59.35 R4.1 C8.2 ; BU1.3 84.535,63.875 83.46,62.8 C8.2
  Bottom Layer w0.127: v1(44,62.75) v1(79.75,62.75) 71.78,54.78 62.66,54.78 P1.5
SCK-NRF: U2.26 U.5 | length 10.5
  Top Layer w0.127: v1(40,53) U2.26
  Bottom Layer w0.127: v1@40.091,52.909 v1(40,53) 40,52.5 41.988,50.512 41.988,48.389 U.5
SWCLK: P1.2 U2.37 | length 21.8
  Top Layer w0.127: U2.37 47.5,57.75 56,49.25 P1.2
SWDIO: P1.4 U2.34 | length 18.7
  Top Layer w0.127: U2.34 44,52.804 50.92,45.884 P1.4
pads on no net: U2.2 U2.17 U2.29 U2.30 U2.31 U2.32 U2.33 U2.38 U3.B1B U3.B2B U4.B1B U4.B2B

## Polygon pours and split planes (outlines as drawn)
+3.3V on Bottom Layer "+3.3V_L02_P002" (solid, pour order 2): -11,93 -12.75,91.25 -12.75,-8.25 97.5,-8.25 100.5,-5.25 95.75,-0.5 95.75,95.25
GND on Top Layer "GND_L01_P000" (solid, pour order 0): 3.3,90 -8.4,90 -8.4,4 -4.3,-0.1 91.9,-0.1 91.9,85.9 87.7,90.1

## Keep-outs
Keep-Out Layer:
  lines w0.254: -8.252,6.812 ccw(c-1.365,6.812) -1.365,-0.075 ; -8.25,6.812 -8.25,83.138 ; -8.25,83.138 cw(c-1.363,83.138) -1.363,90.025 ; -1.375,-0.075 84.743,-0.075 ; -1.363,90.025 84.743,90.025 cw(c84.743,83.138) 91.63,83.138 91.63,6.815 cw(c84.743,6.815) 84.743,-0.072

## Silkscreen, mask and mechanical layers (free items; w line width, h text height)
Top Overlay:
  text "Yusuf Selim Kahya" at 32.454,0.987 h1.3